# Allegro board RK_EXCAVATOR_MAIN_V12_20161114_FZBFINAL.brd (continued)
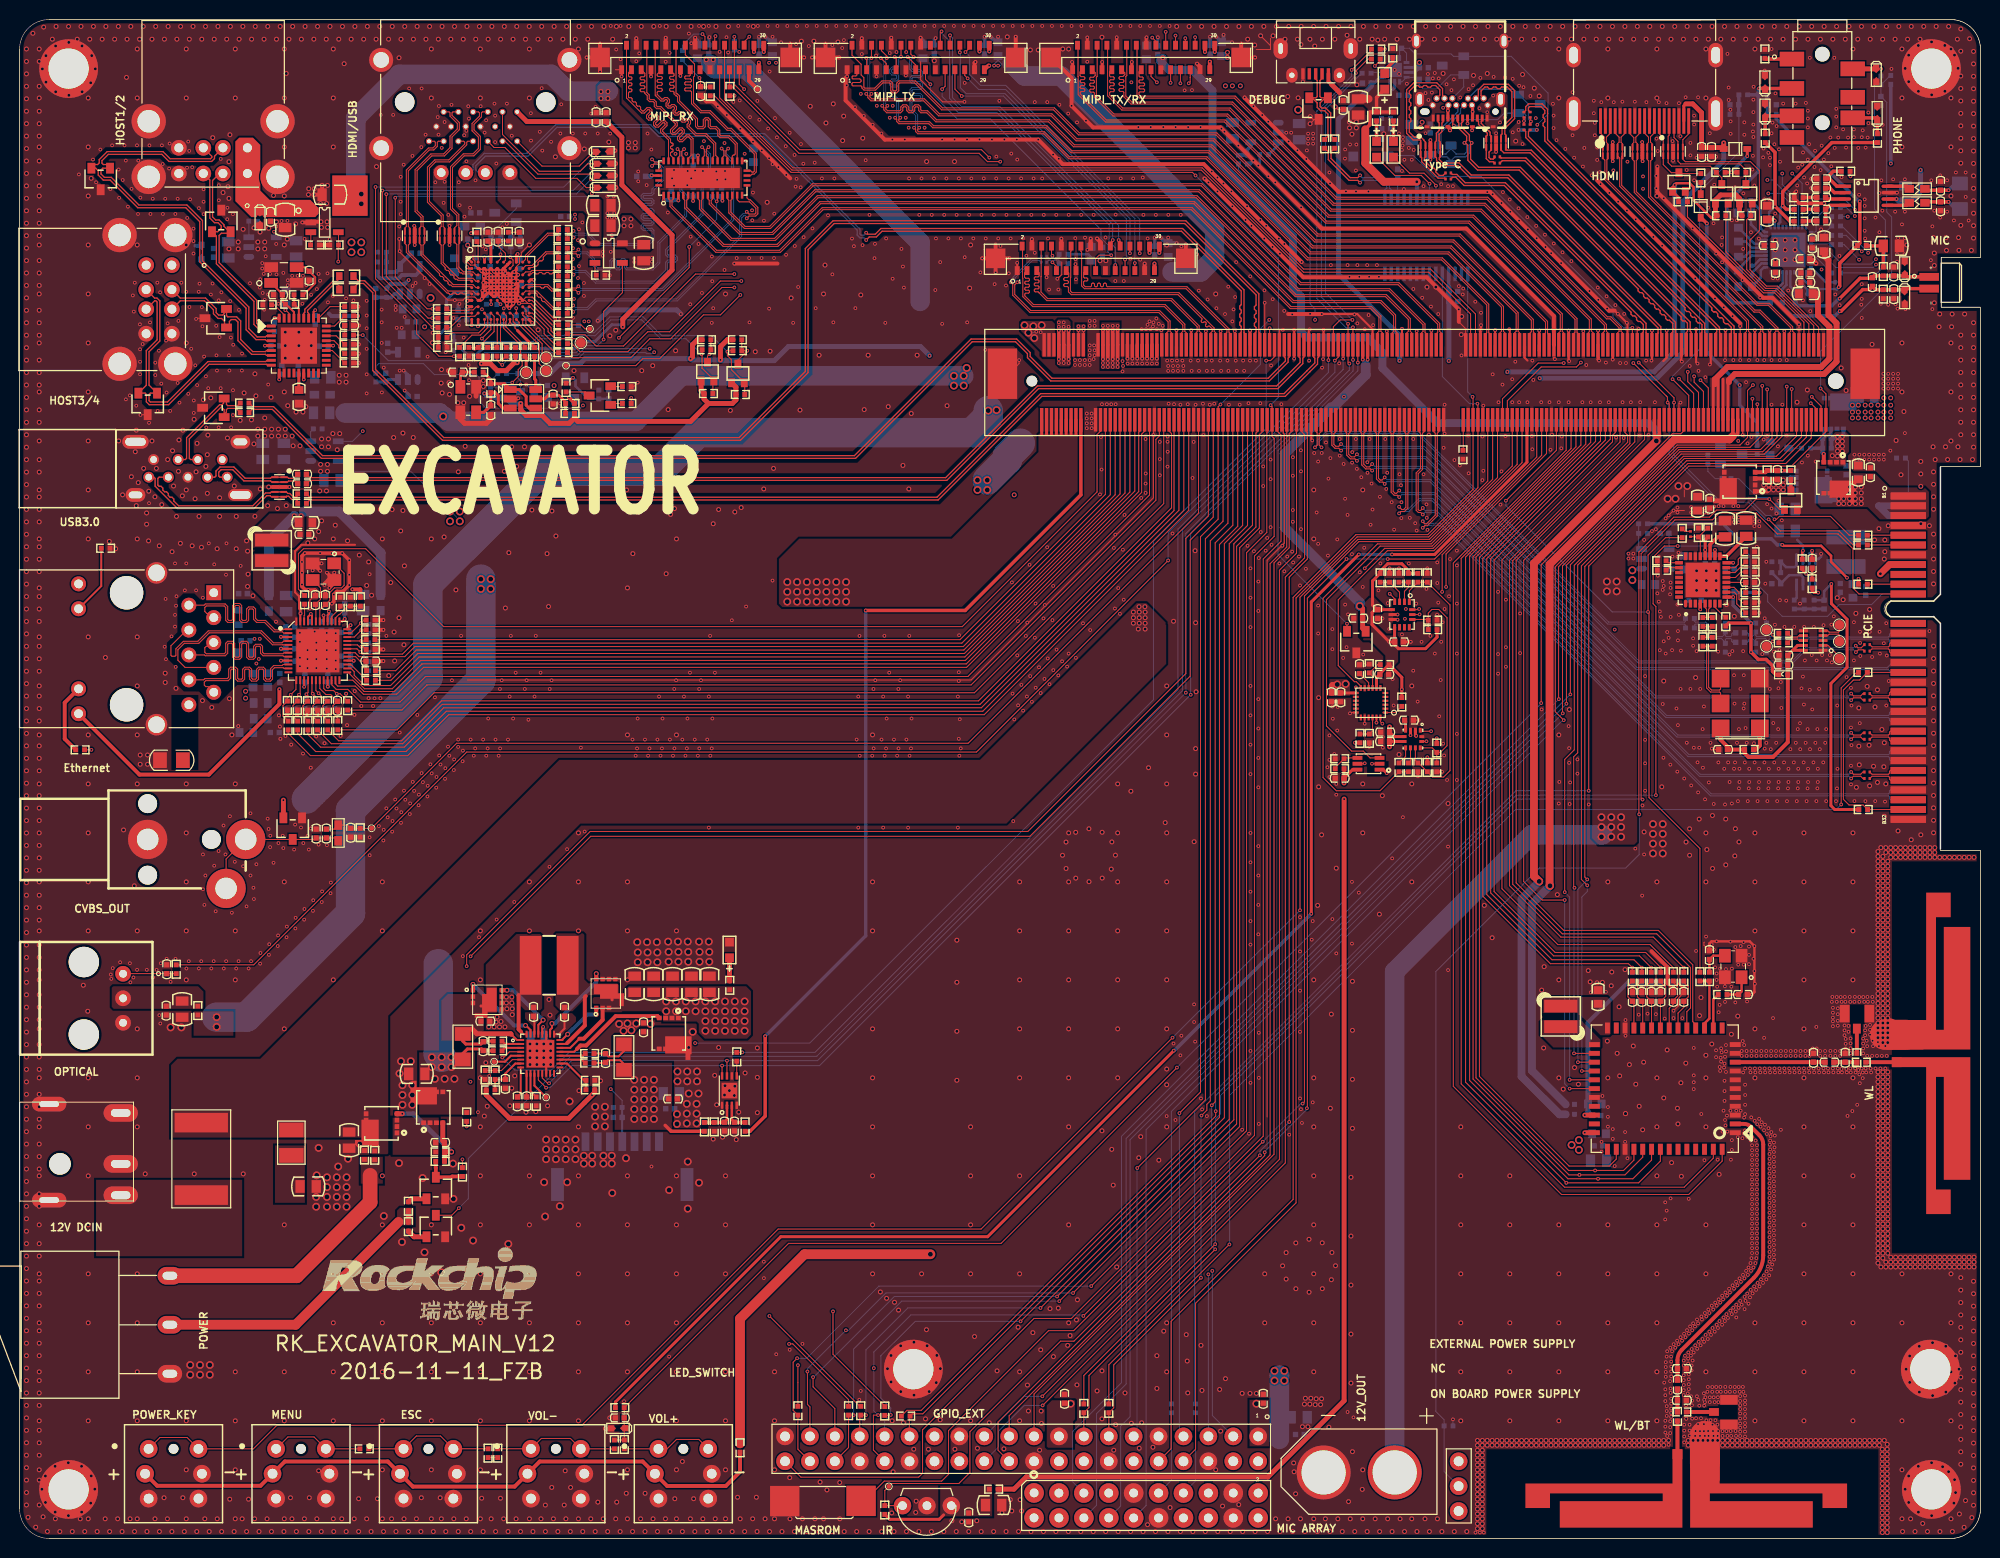
[diagram p0: board, top side]
## Routing (per net, layer and track width the routed paths; a pad name or vN(x,y) marks a point on that pad's centre or on a via; arc(x,y) is an arc through that point) (continued)
PHONE_DET: length 28.6
  TOP w0.102: ED7102.1 v1(189.87,149.97)
  TOP w0.5: ED7102.1 J7103.5
  BOTTOM w0.102: v1(189.87,149.97) 189.86,149.96 R7121.2 189.2,148.6 189.2,135.65 190.3,134.55 190.3,129.95 189.49,129.14 R7103.2
PHY_XTAL1: length 7.8
  TOP w0.102: Y2601.1 33.1,98.5 33.1,97.26 32.84,97 32.12,97 31.64,96.52 31.64,95.74 31.21,95.31 C2603.1 30.62,94.75 U2601.42
PHY_XTAL2: length 4.8
  TOP w0.102: Y2601.3 30.7,97 30.7,95.85 C2604.1 30.22,95.26 U2601.43
PHYRSTB: length 3.8
  TOP w0.102: U2601.29 34.27,89.99 34.73,89.53 C2602.1 35.36,89.5 35.36,89.11 v1(35.2,88.95) 35.39,88.76 R2633.1
  BOTTOM w0.102: v1(35.2,88.95) 35.62,88.53 R2628.2
PMEB: length 2.8
  TOP w0.102: U2601.33 v1(34.85,91.59) 35.21,91.59 R2632.1
  BOTTOM w0.102: v1(34.85,91.59) 35.05,91.38 R2624.2
PORT_CEC: length 8.8
  TOP w0.102: J4501.13 167.25,143.35 167.65,142.95 U4501.10 U4501.1 167.65,140.2 168.48,139.37 Q4502.3 169.34,139.28 R4504.2
PORT_HPD: length 34.2
  TOP w0.102: J4501.19 170.25,143.35 169.65,142.75 U4501.6 U4501.5 169.65,140.75 169.9,140.5 176.55,140.5 177.45,139.6 177.45,133.45 176.5,132.5 176.5,129.48 178.18,127.8 179.3,127.8 183.5,123.6 J9001.306
POWER_KEY: length 203.4
  TOP w0.102: v1(117.6,51.1) 98.07,31.57 77.37,31.57 57.35,11.55 26.25,11.55 23.84,9.14 U8917.2 17.08,10.3 14.32,10.3 U8917.1 ; v1(130.6,64.1) 130.6,96.05 136.5,101.95 143.79,101.95 149.75,107.91 J9001.173
  BOTTOM w0.102: v1(117.6,51.1) 117.62,51.12 117.62,51.13 v1(130.6,64.1)
REFCLK_25M: length 0.9
  TOP w0.102: C8313.1 169.84,102.77 R8321.2
RGMII_GR-: length 7.1
  TOP w0.2: 8.33,97.19 J2601.12
  TOP w0.203: R2636.2 8.33,97.19
RGMII_YE-: length 7.3
  TOP w0.4: R2637.2 4.6,81.6 4.6,85.29 J2601.13
RK3399_26M_OUT: length 78.9
  TOP w0.102: R6110.1 171.39,70.41 166.2,75.6 166.2,94.45 v1(166.1,94.55) 166.1,100.35 167.88,102.13 R8321.1 ; J9001.201 156.75,111.04 151.61,105.9 v1(151.6,105.9)
  BOTTOM w0.102: v1(151.6,105.9) 151.6,105.4 162.45,94.55 v1(166.1,94.55)
RSET: length 1.9
  TOP w0.102: U2601.39 31.82,94.07 32.7,94.95 R2630.1
RTC_CLKO_WIFI: length 79.2
  TOP w0.102: J9001.237 165.75,112.15 153.42,99.82 153.42,67.03 155.3,65.15 v1(157.6,65.15) ; U6101.31 v1(158.1,45.9)
  BOTTOM w0.102: v1(158.1,45.9) 157.6,46.4 v1(157.6,65.15)
RX_CLK: length 5.6
  TOP w0.102: R2610.1 32.45,83.7 31.96,84.19 31.96,84.98 C2601.1 31.73,86.12 31.23,86.12 30.62,86.73 U2601.19
RXCTL_AD2: length 5.8
  TOP w0.102: U2601.13 28.18,87.55 28.18,86.63 v1(27.65,86.1) 27.32,85.77 R2606.2 26.86,85 26.86,83.93 R2619.1
  BOTTOM w0.102: v1(27.65,86.1) 27.11,85.56 R2607.1
RXD0: length 5.4
  TOP w0.102: U2601.14 28.62,86.22 v1(28.5,86.1) 28.33,85.93 R2613.2 27.88,85 27.88,83.89 R2620.1
  BOTTOM w0.102: R2614.1 28.09,85.69 v1(28.5,86.1)
RXD1_TXDLY: length 5.4
  TOP w0.102: R2621.1 28.9,83.92 28.9,84.97 R2608.2 29.42,85.49 29.42,85.98 v1(29.25,86.15) 29.42,86.32 U2601.16
  BOTTOM w0.102: v1(29.25,86.15) 29.12,86.02 R2609.1
RXD2_AN0: length 5.5
  TOP w0.102: U2601.17 29.82,86.28 v1(29.9,86.2) 30.38,85.72 R2615.2 29.91,84.97 29.91,83.89 R2622.1
  BOTTOM w0.102: v1(29.9,86.2) 30.14,85.96 R2616.1
RXD3_AN1: length 6.1
  TOP w0.102: R2623.1 30.93,83.92 30.93,84.97 R2617.2 31.31,85.44 v1(30.5,86.25) 30.22,86.53 U2601.18
  BOTTOM w0.102: v1(30.5,86.25) 31.15,85.6 R2618.1
SDIO0_CLK: length 74.1
  TOP w0.102: R6118.2 168.68,58.24 166.31,60.6 156.9,60.6 151.2,66.3 151.2,99.85 163.25,111.9 J9001.227
SDIO0_CMD: length 74.9
  TOP w0.102: J9001.229 163.75,112.85 164.02,112.58 164.02,111.87 151.97,99.82 151.97,66.62 157.22,61.37 166.64,61.37 v1(169.75,58.25) R6117.2
  BOTTOM w0.102: R6109.2 v1(169.75,58.25)
SDIO0_D0: length 73.3
  TOP w0.102: J9001.221 161.75,112.09 149.65,99.99 149.65,65.71 156.31,59.05 164.66,59.05 v1(165.46,58.25) R6113.2
  BOTTOM w0.102: R6106.2 v1(165.46,58.25)
SDIO0_D1: length 72.8
  TOP w0.102: R6114.2 v1(164.5,58.25) 164.1,58.65 156.14,58.65 149.25,65.54 149.25,100 161.25,112 J9001.219
  BOTTOM w0.102: R6105.2 v1(164.5,58.25)
SDIO0_D2: length 73.9
  TOP w0.102: R6115.2 v1(166.43,58.25) 165.23,59.45 156.47,59.45 150.05,65.87 150.05,99.98 162.25,112.18 J9001.223
  BOTTOM w0.102: R6108.2 v1(166.43,58.25)
SDIO0_D3: length 74.5
  TOP w0.102: J9001.225 162.75,112.85 162.48,112.58 162.48,111.91 150.4,99.83 150.4,66.02 156.62,59.8 165.85,59.8 v1(167.4,58.25) R6116.2
  BOTTOM w0.102: R6107.2 v1(167.4,58.25)
SDIO_CLK: length 5.3
  TOP w0.102: U6101.18 168.26,54.11 168.68,54.53 C6114.2 168.68,54.92 169.13,55.37 169.13,56.28 168.68,56.73 R6118.1
SDIO_CMD: length 5.4
  TOP w0.102: R6117.1 169.75,56.74 170.21,56.28 170.21,55.27 C6111.2 169.75,54.2 169.16,53.61 U6101.17
SDIO_D0: length 5.2
  TOP w0.102: U6101.21 165.56,54.72 C6107.2 165.01,55.27 165.01,56.43 R6113.1
SDIO_D1: length 5.2
  TOP w0.102: R6114.1 164.05,56.43 164.05,55.27 C6108.2 164.66,54.66 U6101.22
SDIO_D2: length 5.2
  TOP w0.102: R6115.1 165.97,56.43 165.97,55.27 C6109.2 166.46,54.79 U6101.20
SDIO_D3: length 5.2
  TOP w0.102: U6101.19 167.36,54.78 C6110.2 167.91,55.32 167.91,56.26 167.4,56.76 R6116.1
SPDIF_TX: length 147
  TOP w0.102: J9001.114 v1(133.5,120.25) ; v1(117.15,99.8) 97.6,80.25 45.6,80.25 23.89,58.54 R7114.1
  BOTTOM w0.102: v1(133.5,120.25) 133.5,119 117.15,102.65 v1(117.15,99.8)
SPI1_CLK: length 118
  TOP w0.102: v1(104.32,14.5) 128.5,38.68 128.5,98.8 130.25,100.55 J9001.101
  BOTTOM w0.102: J9002.23 102.48,14.5 v1(104.32,14.5)
SPI1_CSN0: length 121.1
  TOP w0.102: v1(104.35,13.57) 129.1,38.32 129.1,98.1 131.07,100.07 131.07,112.63 130.75,112.95 J9001.103
  BOTTOM w0.102: v1(104.35,13.57) 102.47,13.57 99.85,10.95 99.85,9.33 J9002.24
SPI1_RXD: length 115.5
  TOP w0.102: J9002.21 100.93,12.52 127.55,39.13 127.55,99.47 129.25,101.17 J9001.97
SPI1_TXD: length 114.6
  TOP w0.102: J9002.19 103.47,14.73 127.95,39.21 127.95,99.55 129.5,101.1 129.5,112.75 129.75,113 J9001.99
SPK_CTL_H: length 160.2
  TOP w0.102: v1(157.5,83.5) 156.63,84.37 156.63,99.15 169.06,111.58 175.48,111.58 176.25,112.35 J9001.279 176.25,117.15 v1(176.8,117.7) ; R7123.1 186.71,139.04 v1(186.75,139)
  S1 w0.102: v1(186.75,139) 186.1,138.35 186.1,125.04 179.05,117.99 177.09,117.99 v1(176.8,117.7)
  BOTTOM w0.102: R7104.1 117.48,43.58 157.4,83.5 v1(157.5,83.5)
TOUCH_INT_L: length 111.5
  TOP w0.102: v1(157.5,119.95) 154.9,119.95 151.25,116.3 J9001.179 ; J5001.25 v1(113.75,130.15) ; v1(119.25,148.5) 119.4,148.65 119.4,149.1 119.4,149.1 J4702.25 ; v1(96.7,149) 96.4,149.3 J4701.25
  S1 w0.102: v1(119.25,148.5) 118.75,149 v1(96.7,149) ; v1(113.75,130.15) 114.35,129.56 148.13,129.56 157.5,120.19 v1(157.5,119.95)
  BOTTOM w0.102: v1(96.7,149) 97.83,147.87 100.58,147.87 113.75,134.69 v1(113.75,130.15)
TOUCH_RST_L: length 117.1
  TOP w0.102: v1(119.9,153.2) 119.9,153.2 J4702.26 ; v1(96.48,151.69) 96.9,152.12 J4701.26 ; J5001.26 v1(114.25,131.15) ; J9001.181 151.75,116.1 155.2,119.55 158.8,119.55 v1(159.25,120)
  S1 w0.102: v1(119.9,153.2) 119.63,153.47 118.52,153.47 117.45,152.4 108.06,152.4 107.73,152.73 102.76,152.73 102.53,152.5 97.29,152.5 v1(96.48,151.69) ; v1(159.25,120) 158.95,120 148.27,130.68 114.72,130.68 v1(114.25,131.15)
  BOTTOM w0.102: v1(96.48,151.69) 96.9,151.26 96.9,149.4 98.01,148.29 100.58,148.29 114.25,134.62 v1(114.25,131.15)
TXCTL: length 2.6
  TOP w0.102: R2627.1 33.78,89.19 U2601.27
TYPEC0_DM: length 46.1
  TOP w0.127: J9001.246 168.5,123 168.62,123.12 168.62,123.98 168.29,124.32 168.08,124.32 167.9,124.5 167.9,124.7 167.72,124.88 167.52,124.88 167.34,125.06 167.34,125.27 167.16,125.45 166.95,125.45 166.77,125.63 166.77,125.83 166.59,126.01 166.39,126.01 166.21,126.19 166.21,126.39 166.03,126.57 165.83,126.57 165.65,126.75 165.65,126.96 165.47,127.14 165.26,127.14 165.08,127.32 165.08,127.52 152.96,139.65 148.71,139.65 147.72,140.63 147.72,142.18 147.49,142.41 v1(147.37,142.41) 147.6,142.65 147.6,143.1 146.8,143.9 146.8,144.45 146.69,144.56 J8903.A7
  BOTTOM w0.127: J8903.B7 146.98,145.9 146.98,145.48 144.98,143.48 144.98,141.52 145.22,141.28 145.48,141.28 146,141.8 ; v1(147.37,142.41) 147.62,142.16 147.62,141.52 147.38,141.28 146.52,141.28 146,141.8 ; 146,141.8 U90007.1
TYPEC0_DP: length 45.9
  TOP w0.127: J8903.A6 147.19,144.56 147.07,144.45 147.07,144.02 147.88,143.22 147.88,142.65 v1(148.11,142.41) 148,142.3 148,140.75 148.82,139.93 153.07,139.93 168.9,124.1 168.9,123.05 169,122.95 J9001.248
  BOTTOM w0.127: J8903.B6 146.7,146.1 146.7,145.6 144.7,143.6 144.7,141.4 145.1,141 145.57,141 146,140.57 ; v1(148.11,142.41) 147.9,142.2 147.9,141.4 147.5,141 146.43,141 146,140.57 146,140.57 ; 146,140.57 U90007.2
TYPEC0_RX1N: length 41.5
  TOP w0.127: J9001.260 172,122.95 171.88,123.07 171.88,123.99 154.19,141.68 151.73,141.68 151.6,141.81 U90006.5 U90006.6 151.6,143.22 151.49,143.33 151.49,143.89 152.49,144.89 152.49,147.76 151.85,148.4 149.35,148.4 148.79,147.84 148.79,147.21 J8903.B10
TYPEC0_RX1P: length 41.4
  TOP w0.127: J8903.B11 149.07,147.23 149.07,147.72 149.47,148.12 149.73,148.12 149.9,147.95 150.15,147.95 150.32,148.12 150.58,148.12 150.75,147.95 151,147.95 151.17,148.12 151.73,148.12 152.21,147.64 152.21,145.01 151.21,144.01 151.21,143.33 151.1,143.22 U90006.7 U90006.4 151.1,141.7 151.4,141.4 154.07,141.4 169.86,125.61 169.86,125.39 170.04,125.21 170.26,125.21 170.44,125.03 170.44,124.81 170.62,124.63 170.85,124.63 171.03,124.45 171.03,124.22 171.21,124.04 171.43,124.04 171.6,123.87 171.6,123.1 171.5,123 J9001.258
TYPEC0_RX2N: length 36
  TOP w0.127: J9001.242 167.5,122.95 167.4,123.05 167.4,123.65 151.91,139.14 148.06,139.14 146.82,140.38 145.15,140.38 144.81,140.73 144.81,140.91 144.9,141 U90005.5 U90005.6 144.9,142.52 144.79,142.63 144.79,143.29 145.07,143.57 145.07,144.45 145.19,144.56 J8903.A10
TYPEC0_RX2P: length 36
  TOP w0.127: J9001.240 167,122.9 167.12,123.02 167.12,123.53 151.8,138.86 147.95,138.86 146.7,140.1 145.04,140.1 144.53,140.61 144.53,140.87 144.4,141 U90005.4 U90005.7 144.4,142.52 144.51,142.63 144.51,143.41 144.8,143.69 144.8,144.45 144.69,144.56 J8903.A11
TYPEC0_SBU1: length 30.1
  TOP w0.127: C8927.1 153.62,143.57 153.62,142.96 173.11,123.48 173.11,123.12 173,123.01 J9001.264
TYPEC0_SBU1_DC: length 35.2
  TOP w0.127: R8924.1 153.62,145.74 153.62,146.11 153.91,146.4 155.3,146.4 155.85,145.85 155.85,142.74 174.87,123.71 174.87,123.03 175,122.9 J9001.272
TYPEC0_SBU2: length 30.1
  TOP w0.127: J9001.266 173.5,122.95 173.39,123.06 173.39,123.59 153.9,143.08 153.9,143.57 C8929.1
TYPEC0_SBU2_DC: length 34.9
  TOP w0.127: J9001.270 174.5,122.9 174.6,123 174.6,123.6 174.22,123.97 174.1,123.97 173.98,123.97 173.8,124.15 173.8,124.27 173.8,124.39 173.62,124.57 173.5,124.57 173.38,124.57 173.2,124.75 173.2,124.87 173.2,124.88 173.2,125 173.02,125.18 172.9,125.18 172.77,125.18 172.59,125.36 172.59,125.48 172.59,125.48 172.59,125.6 155.57,142.62 155.57,144 155.4,144.17 155.4,144.42 155.57,144.59 155.57,144.85 155.4,145.02 155.4,145.27 155.57,145.44 155.57,145.73 155.18,146.12 154.03,146.12 153.9,145.99 153.9,145.74 R8925.1
TYPEC0_TX1N: length 28.5
  TOP w0.127: J9001.252 170,123.05 170.12,123.17 170.12,124.02 169.89,124.24 169.66,124.24 169.48,124.42 169.48,124.66 153.54,140.6 151.23,140.6 C8931.1
TYPEC0_TX1P: length 28.8
  TOP w0.127: C8932.1 151.09,140.9 151.1,140.9 151.12,140.88 153.65,140.88 170.4,124.13 170.4,123.2 170.5,123.1 J9001.254
TYPEC0_TX2N: length 28.3
  TOP w0.127: C8933.1 146.18,138.92 146.48,138.92 147.33,138.07 151.43,138.07 164.36,125.14 164.36,124.94 164.54,124.76 164.75,124.76 164.93,124.58 164.93,124.37 165.11,124.19 165.31,124.19 165.62,123.88 165.62,123.12 165.5,123 J9001.234
TYPEC0_TX2P: length 28.5
  TOP w0.127: C8934.1 146.14,139.2 146.6,139.2 147.45,138.35 151.55,138.35 165.9,124 165.9,123.05 166,122.95 J9001.236
TYPEC0_U2VBUSDET: length 38.4
  TOP w0.102: v1(164.5,123.55) J9001.230
  BOTTOM w0.102: v1(164.5,123.55) 163.63,123.55 162.52,124.66 162.52,125.53 149.05,139 144.3,139 142.18,141.12 139.73,141.12 D8901.2 139.63,142.58 R8933.2 C8939.1 R8930.2
TYPEC_AUXM: length 10.2
  TOP w0.127: R8925.2 154.08,144.68 v1(154.15,144.61) 154.08,144.53 C8929.2
  BOTTOM w0.127: C8929.2 154.08,144.53 v1(154.15,144.61) 154.12,144.61 153.9,144.83 153.9,146.35 U90009.2 152.35,147.9 148.68,147.9 J8903.B8
TYPEC_AUXP: length 10.5
  TOP w0.127: v5(146.3,144.2) 146.19,144.31 J8903.A8 ; C8927.2 v1(153.44,144.65) R8924.2
  BOTTOM w0.127: C8927.2 v1(153.44,144.65) 153.62,144.83 153.62,145.28 153.45,145.45 U90009.1 151.42,145.45 150.77,144.8 147.4,144.8 146.8,144.2 v5(146.3,144.2)
TYPEC_CC1: length 31.1
  TOP w0.102: J8903.A5 v1(147.69,144.4)
  S1 w0.102: v1(154.8,144.27) 154.64,144.11 147.99,144.11 147.7,144.4 v1(147.69,144.4)
  BOTTOM w0.102: U8914.10 140.76,151.88 C8930.1 ; C8930.1 141.77,152.08 142.35,151.5 146,151.5 146.25,151.25 U90008.1 152.15,151.25 155.9,147.5 155.9,145.36 v1(154.8,144.27) ; C8930.1 141.47,151.57 U8914.11
TYPEC_CC2: length 11
  BOTTOM w0.102: U8914.1 141.01,148.66 U8914.14 142.54,149.12 C8928.1 142.76,148.34 143.1,148 144.6,148 145.95,149.35 U90008.2 147.3,148.13 J8903.B5
TYPECTX1N: length 5.6
  TOP w0.127: C8931.2 150.3,140.49 149.92,140.49 149.6,140.81 U90006.1 U90006.10 149.6,143.1 149.71,143.21 149.71,143.39 148.81,144.29 148.81,144.59 148.69,144.71 J8903.A3
TYPECTX1P: length 5.3
  TOP w0.127: C8932.2 150.44,140.9 150.31,140.77 150.04,140.77 149.88,140.93 149.88,141.48 150.1,141.7 U90006.2 U90006.9 150.1,143.1 149.99,143.21 149.99,143.51 149.91,143.59 149.09,144.41 149.09,144.59 149.19,144.69 J8903.A2
TYPECTX2N: length 16.8
  TOP w0.127: J8903.B3 145.14,147.15 145.14,147.96 144.55,148.55 142.2,148.55 141.47,147.82 141.47,143.39 142.14,142.72 142.83,142.72 142.91,142.64 142.91,142.51 142.9,142.5 U90005.10 U90005.1 142.9,141 143.01,140.89 143.01,140.5 144.69,138.82 145.35,138.82 C8933.2
TYPECTX2P: length 16.5
  TOP w0.127: J8903.B2 144.86,147.29 144.86,147.84 144.43,148.27 144.08,148.27 143.91,148.1 143.65,148.1 143.48,148.27 143.23,148.27 143.06,148.1 142.81,148.1 142.63,148.27 142.31,148.27 141.75,147.71 141.75,147.44 141.9,147.29 141.9,147.04 141.75,146.89 141.75,146.64 141.9,146.49 141.9,146.23 141.75,146.08 141.75,145.83 141.9,145.68 141.9,145.42 141.75,145.27 141.75,145.02 141.9,144.87 141.9,144.62 141.75,144.47 141.75,143.51 142.26,143 142.95,143 143.24,142.71 143.24,142.66 143.4,142.5 U90005.9 U90005.2 143.4,141 143.29,140.89 143.29,140.62 144.07,139.84 144.26,139.84 144.44,139.66 144.44,139.46 144.81,139.1 145.19,139.1 C8934.2
UART0_CTS: length 157.1
  TOP w0.102: U6101.42 166.46,38.61 164.55,36.7 v1(161,36.7) 157.94,36.7 147.9,46.74 147.9,100.23 159.25,111.58 J9001.211
  S1 w0.102: J9002.12 114.8,9.04 114.8,10.85 115.85,11.9 136.2,11.9 v1(161,36.7)
UART0_RTS: length 173.3
  TOP w0.102: U6101.43 167.36,38.51 165.14,36.29 v1(157.76,36.29) 147.49,46.56 147.49,100.14 158.75,111.4 J9001.209
  S1 w0.102: J9002.26 97.15,9.17 97.15,11.05 98.6,12.5 107.42,12.5 107.99,13.07 134.55,13.07 v1(157.76,36.29)
UART0_RXD: length 159
  TOP w0.102: J9001.215 160.25,111.85 148.55,100.15 148.55,47.01 158,37.55 v1(160.7,37.55) 163.6,37.55 164.66,38.61 U6101.40
  S1 w0.102: v1(160.7,37.55) 135.6,12.45 111.35,12.45 110,11.1 110,9.32 J9002.16
UART0_TXD: length 161.6
  TOP w0.102: U6101.41 165.56,38.91 163.75,37.1 v1(159.1,37.1) 158.03,37.1 148.25,46.88 148.25,100.17 159.75,111.67 J9001.213
  S1 w0.102: v1(159.1,37.1) 134.68,12.68 108.32,12.68 107.35,11.71 107.35,9.21 J9002.18
UART2DBG_RX: length 139
  TOP w0.102: J9002.10 117.45,9.15 117.45,22.15 129.9,34.6 129.9,96.03 136.3,102.43 143.63,102.43 148.25,107.05 J9001.167 148.25,115.7 148.25,116.45 v1(148.2,116.5)
  BOTTOM w0.102: v1(148.2,116.5) 147.71,116.99 U1401.1
UART2DBG_TX: length 139.9
  TOP w0.102: J9002.8 119.95,9.11 119.95,24 130.2,34.25 130.2,95.98 136.43,102.21 143.72,102.21 148.75,107.23 J9001.169 148.75,115.75 v1(148.7,115.8)
  BOTTOM w0.102: U1401.5 145.11,118.59 147.9,115.8 v1(148.7,115.8)
USB3_DM: length 117.6
  TOP w0.127: J9001.98 129.5,120.57 129.39,120.46 129.39,120.04 127.47,118.12 105.18,118.12 102.8,120.5 102.8,120.9 101.58,122.12 97.17,122.12 85.27,110.22 30.78,110.22 25.78,115.22 23.73,115.22 23.72,115.22 R8916.1
USB3_DP: length 117.2
  TOP w0.127: R8917.1 23.77,115.5 25.9,115.5 30.9,110.5 85.15,110.5 97.05,122.4 101.7,122.4 103.08,121.02 103.08,120.62 105.29,118.4 127.35,118.4 129.11,120.16 129.11,120.46 129,120.57 J9001.96
USB3_SSRXN: length 111
  TOP w0.127: R8918.1 29.6,105.98 93.69,105.98 104.26,116.55 129.1,116.55 131.61,119.06 132.39,119.84 132.39,120.46 132.5,120.57 J9001.110
USB3_SSRXN_: length 18
  TOP w0.127: CON8901.5 13.69,108.3 13.82,108.17 13.82,107.38 16.1,105.1 23.9,105.1 25.21,106.41 25.57,106.41 25.68,106.3 U90004.5 U90004.6 27.2,106.3 27.26,106.36 27.44,106.36 27.78,106.02 28.18,106.02 28.36,105.84 R8918.2
USB3_SSRXP: length 110.6
  TOP w0.127: R8919.1 29.6,106.25 93.57,106.25 104.15,116.83 128.98,116.83 131.33,119.18 131.33,119.18 132.11,119.96 132.11,120.46 132,120.57 J9001.108
USB3_SSRXP_: length 18.3
  TOP w0.127: CON8901.6 14.23,108.3 14.1,108.17 14.1,107.5 14.23,107.37 14.43,107.37 14.61,107.19 14.61,106.99 14.79,106.81 14.99,106.81 15.17,106.63 15.17,106.43 15.35,106.25 15.55,106.25 15.73,106.07 15.73,105.87 16.22,105.38 23.78,105.38 25.09,106.69 25.57,106.69 25.68,106.8 U90004.4 U90004.7 27.2,106.8 27.36,106.64 27.56,106.64 27.9,106.3 28.23,106.3 28.36,106.43 R8919.2
USB3_SSTXN: length 108.2
  TOP w0.127: J9001.102 130.5,120.57 130.61,120.46 130.61,120.01 129.41,118.81 128.22,117.62 103.82,117.62 94.46,108.26 29.6,108.26 C8922.2
USB3_SSTXN_: length 10.6
  TOP w0.127: C8922.1 27.95,108.19 27.43,108.19 27.32,108.3 U90004.10 U90004.1 25.7,108.3 25.6,108.2 23,108.2 21.85,109.34 20.44,109.34 20.03,108.93 20.03,108.43 19.9,108.3 CON8901.8
USB3_SSTXP: length 108.7
  TOP w0.127: C8923.2 29.6,107.98 94.58,107.98 103.94,117.34 128.33,117.34 129.69,118.7 130.89,119.89 130.89,120.46 131,120.57 J9001.104
USB3_SSTXP_: length 10.1
  TOP w0.127: CON8901.9 20.44,108.3 20.31,108.43 20.31,108.81 20.56,109.06 21.74,109.06 22.88,107.92 25.6,107.92 25.72,107.8 U90004.2 U90004.9 27.32,107.8 27.43,107.91 28.08,107.91 C8923.1
WIFI_HOST_WAKE_L: length 80.3
  TOP w0.102: J9001.231 164.25,111.73 152.3,99.78 152.3,66.76 157.36,61.7 166.98,61.7 170.43,58.25 170.43,54.13 170.06,53.76 U6101.16
WIFI_REG_ON_H: length 80.3
  TOP w0.102: U6101.15 170.96,52.44 170.66,52.74 170.66,58.54 167.15,62.05 157.5,62.05 152.65,66.9 152.65,99.8 164.75,111.9 J9001.233
XIN: length 4.6
  TOP w0.2: U8904.33 27.98,125.15 27.18,125.95 R8905.1 26.81,126.25 C8906.1 26.81,126.98 Y8901.1
XOU: length 2.6
  TOP w0.2: R8901.2 28.01,126.9 R8905.2 28.48,125.48 U8904.32
XTAL_IN: length 3.1
  TOP w0.25: Y6101.1 175.64,55.82 C6112.1 R6111.1
XTAL_OUT: length 3
  TOP w0.25: Y6101.3 172.75,59.47 C6113.1 R6112.1
N14667482: length 12.8
  TOP w0.102: R8103.2 U8102.2 56.18,10.2 53.22,10.2 U8102.1 52.15,9.15 R8104.1
N14667522: length 13.3
  TOP w0.102: R8106.1 U8104.1 40.47,10.45 42.93,10.45 U8104.2 44.25,9.15 R8105.2
N14667546: length 9.4
  TOP w0.102: R8102.2 U8101.1 66.04,9.14 67,10.1 69.28,10.1 U8101.2
N14667566: length 1
  TOP w0.102: R8104.2 R8105.1
N14671330: length 1.3
  TOP w0.102: U8901.3 29.7,132.33 29.68,132.3 R8909.1
N14693910: length 2.4
  TOP w0.4: J4601.27 74.4,148.76 TP4601.1
N14716756: length 1.1
  TOP w0.305: U8001.4 141.37,83.4 C8001.2
N14717380: length 1.9
  TOP w0.102: U8002.10 137.6,87.33 C8007.1
N14717604: length 3.1
  TOP w0.102: U8003.2 141.25,96.65 141.66,97.06 R8012.1 R8013.1
N14717616: length 3.4
  TOP w0.102: R8014.1 R8015.1 140.75,96.56 U8003.3
N14726578: length 2.1
  TOP w0.35: LED1401.1 R1401.1
N14726582: length 2.1
  TOP w0.35: LED1402.1 R1402.1
N14726626: length 7.9
  TOP w0.102: LED1402.2 140.27,139.1 142.96,139.1 v1(143.81,138.25)
  BOTTOM w0.102: v1(143.81,138.25) U1401.22
N14726638: length 6.8
  TOP w0.102: v1(144.46,138.05) 144.46,138.12 143.25,139.33 141.77,139.33 LED1401.2
  BOTTOM w0.102: v1(144.46,138.05) U1401.23
N14726772: length 2
  TOP w0.35: LED1403.2 139.24,149.85 140.06,150.67 R1403.1
N14726800: length 9.8
  TOP w0.127: v1(136.72,138.36) 136.49,138.59 135.61,138.59 133.49,140.71 133.49,141.5 R1405.1
  BOTTOM w0.127: U1401.15 139.26,137.63 139.45,137.81 139.45,138.06 138.91,138.59 136.96,138.59 v1(136.72,138.36)
N14726864: length 9.8
  TOP w0.127: R1404.1 133.77,141.5 133.77,140.83 135.72,138.87 136.49,138.87 v1(136.72,139.11)
  BOTTOM w0.127: v1(136.72,139.11) 136.96,138.87 139.03,138.87 139.73,138.17 139.73,137.81 139.91,137.63 U1401.16
N14726968: length 8.6
  TOP w0.127: 133.17,147.02 132.76,147.02 132.64,147.15 132.64,148.79 132.85,149 J1400.2 ; 133.17,147.02 132.65,146.5 132.65,146.15 132.82,145.98 133.22,145.98 133.73,145.47 133.73,143.18 R1404.2 ; 133.17,147.02 U1402.1
N14726972: length 8.5
  TOP w0.127: 131.83,147.02 132.35,146.5 132.36,146.5 132.36,146.04 132.7,145.7 133.1,145.7 133.45,145.35 133.45,143.1 R1405.2 ; 131.83,147.02 U1402.2 ; 131.83,147.02 132.23,147.02 132.36,147.15 132.36,148.79 132.2,148.95 J1400.3
N14732562: length 2
  BOTTOM w0.35: R7117.2 C7118.1 178.24,146.34 R7119.1
N14733597: length 1.4
  TOP w0.35: C7128.1 181.94,135.65 R7128.2
N14733659: length 3.3
  TOP w0.35: C7126.2 C7128.2 184.61,136.04 U7102.4
N14736608: length 4.2
  TOP w0.102: J8301.B10 R8302.2
N14737870: length 4
  BOTTOM w0.102: J8301.A1 192.65,109.95 R9020.1
N14785945: length 2.8
  TOP w0.102: R8020.1 134.19,78.66 R8021.1 135.19,79.66 U8005.4
N14787335: length 5.4
  TOP w0.102: R7114.2 C7110.1 10.57,57.63 J7102.1
N14851495: length 11.9
  TOP w0.5: R505.2 v2(44.06,39.44) ; R505.2 C506.2 43.17,40.58 Q502.4 ; R505.2 R509.1 ; v1(39.03,43.33) Q501.4
  BOTTOM w0.5: v1(39.03,43.33) 40.17,43.33 v2(44.06,39.44)
N14852037: length 4.4
  TOP w0.381: R509.2 42.44,37.81 42.45,37.8 Q506.3 44.05,36.86 44.13,36.94 R89551.1
N14855408: length 26.3
  TOP w1.5: S501.1 28.26,26.81 35.75,34.3 35.75,37.05
N14862511: length 12
  TOP w0.203: U501.21 56.56,49.66 56.85,49.95
  TOP w0.4: 65.05,53.3 60.8,53.3 57.8,50.3 57.2,50.3 56.85,49.95 ; 65.05,53.3 Q505.4 65.05,53.3
N14863419: length 4.1
  TOP w0.203: R513.1 61.64,49.74 61.1,49.2 60.04,49.2 C515.1 59.76,49.48 R510.1
N14863693: length 2.7
  TOP w0.203: U501.20 57.47,49.26 R510.2
N14864742: length 2.7
  TOP w0.203: U501.19 57.35,48.86 R515.2
N14884014: length 2
  TOP w0.5: Q506.1 39.97,34.66 R512.2
N14884183: length 2.1
  TOP w0.5: Q507.1 40.22,30.78 39.66,31.34 R519.1
N15005309: length 2.3
  TOP w0.4: C6101.2 C6103.1 R6101.1
N15005313: length 9.2
  TOP w0.4: C6101.1 C6102.1 U6101.9
N15005477: length 6
  TOP w0.25: R6110.2 R6112.2 172.36,53.06 171.86,52.56 U6101.14
N15005619: length 3.6
  TOP w0.25: R6111.2 172.76,55.01 U6101.13
N15005623: length 2.3
  TOP w0.4: R6104.1 C6106.1 C6104.2
N15005627: length 31.4
  TOP w0.4: C6104.1 C6105.1 169.1,18.2 arc(169.21,18.75) 169.52,19.22 176.9,26.6 arc(177.6,27.65) 177.85,28.89 177.85,40.2 arc(177.75,40.71) 177.46,41.14 176.58,42.02 arc(176.27,42.23) 175.9,42.3 U6101.2
N15006749: length 3.2
  TOP w0.4: ANT6102.1 R6102.2
N15007219: length 2.5
  TOP w0.4: R6101.2 ANT6101.1
N15007245: length 3.4
  TOP w0.4: R6104.2 ANT6104.1
N15016224: length 4
  BOTTOM w0.4: C8323.1 184.72,112.35 Q8301.3 ; C8323.1 185.68,112.28 186.03,112.63 Q8301.1 ; C8323.1 R8330.1
  vias: v2(184.9,110.5) v2(185.42,112.46) v2(185.42,111.96) v2(185.42,111.46) v2(185.42,110.96) v2(185.42,110.46) v2(185.92,112.46) v2(185.92,111.96) v2(185.92,111.46) v2(185.92,110.96) v2(185.92,110.46)
N15016272: length 4.8
  TOP w0.4: v1(184.02,110.67) Q8302.4
  BOTTOM w0.35: R8330.2 R8332.1
  BOTTOM w0.4: Q8301.4 184.07,112.45 C8323.2 R8330.2 183.9,110.8 v1(184.02,110.67)
N15016378: length 1.3
  BOTTOM w0.102: R8332.2 Q8304.3
N15016398: length 2.9
  BOTTOM w0.102: Q8304.1 R8331.1 Q8303.3
N15017275: length 7.5
  TOP w0.4: R8337.1 178.17,108.16 Q8305.3 ; R8337.1 C8333.1 ; R8337.1 178.45,107.88 178.45,107.05 v2(178.4,107) 178.26,106.86 Q8305.1
  BOTTOM w0.4: Q8306.1 180.8,106.97 180.45,107.32 180.45,108.13 180.6,108.28 Q8306.3
  vias: v2(177.9,107.5) v2(177.9,107) v2(178.4,107.5) v2(178.9,107.5) v2(178.9,107) v2(179.4,107.5) v2(179.4,107) v2(179.9,108) v2(179.9,107.5) v2(179.9,107)
N15017323: length 5.2
  TOP w0.35: R8338.1 v1(179.78,108.98)
  TOP w0.4: v1(179.78,108.98) C8333.2 R8337.2 178.08,108.81 Q8305.4
  BOTTOM w0.4: Q8306.4 179.83,108.93 v1(179.78,108.98)
N15017407: length 1.2
  TOP w0.35: Q8307.3 180.67,106.9 180.68,106.91 R8338.2
N15018846: length 3.8
  BOTTOM w0.102: R8333.2 172.95,108.15 172.2,108.9 R8334.2 172.21,109.66 Q8303.1
N15062867: length 1.5
  TOP w0.35: v1(179.02,134.47) 178.89,134.6 C7105.1
  BOTTOM w0.25: U7101.22 v1(179.02,134.47)
N15062889: length 3.2
  BOTTOM w0.25: U7101.19 177.78,132.92 176.6,134.1 C7106.1
N15062931: length 3.5
  BOTTOM w0.25: C7104.1 175.32,129.55 176.69,130.92 U7101.14
N15062935: length 3
  BOTTOM w0.25: U7101.15 176.47,131.32 175.95,130.8 C7104.2
N15062965: length 3.1
  BOTTOM w0.25: U7101.16 176.68,131.72 176.05,132.35 C7103.1
N15062969: length 3.5
  BOTTOM w0.25: U7101.17 176.96,132.12 C7103.2
N15063107: length 2.7
  BOTTOM w0.25: U7101.11 177.92,129.72 177.6,129.4 177.6,128.64 C7101.2